# KiCad board AMC_FMC_Carrier-PcbDoc.kicad_pcb (continued)
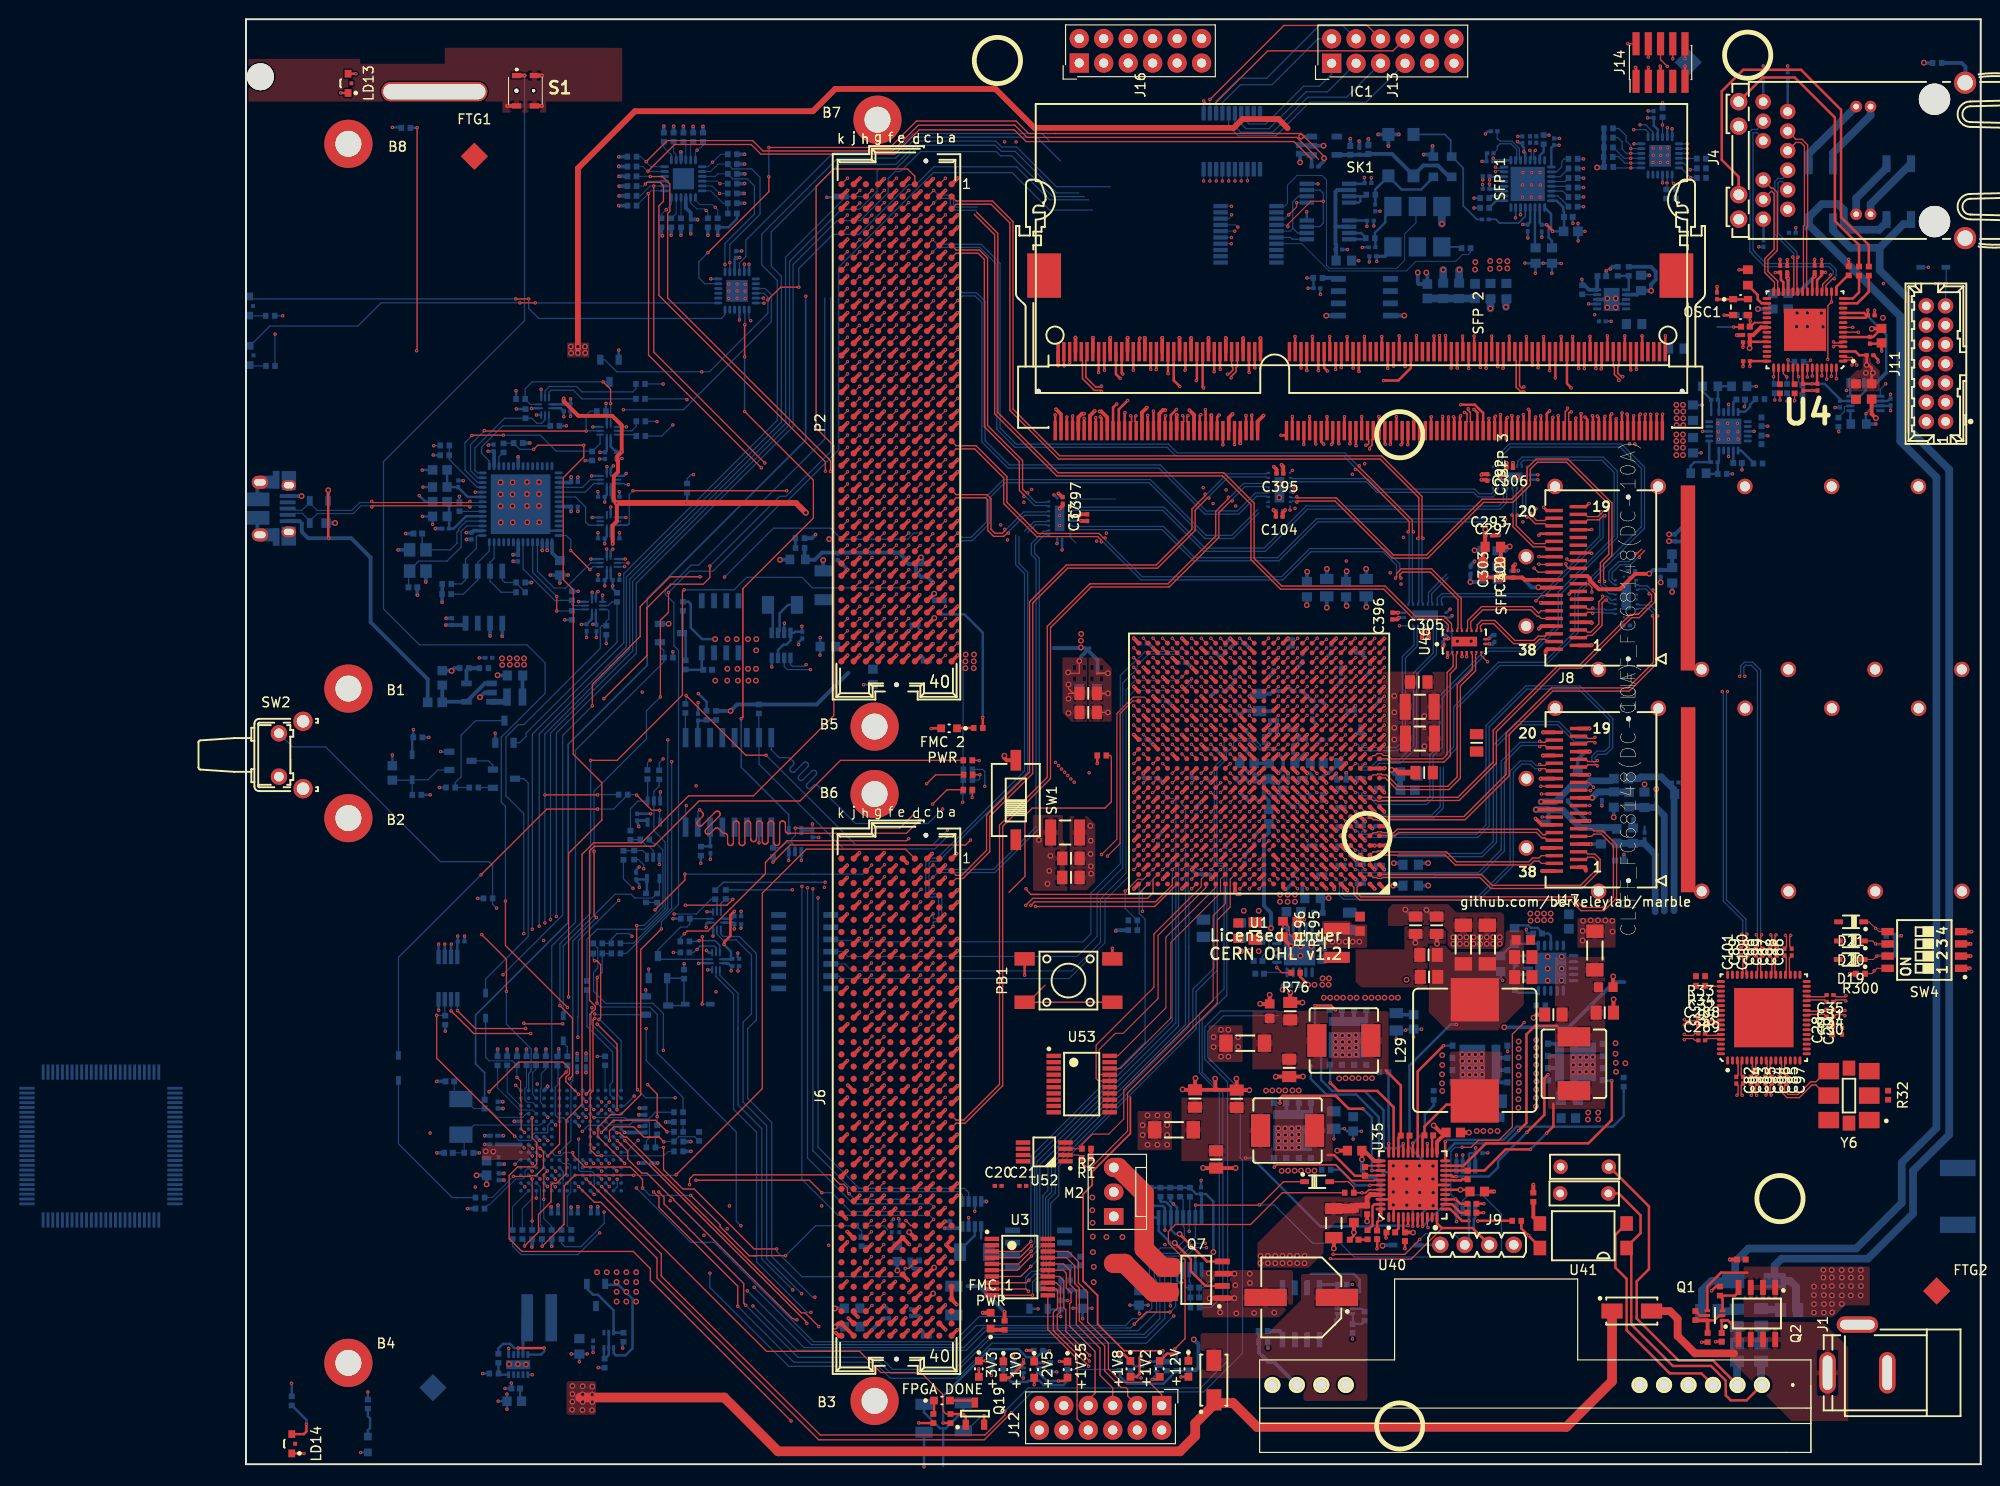
[diagram p0: board, top side]
## Nets (continued)
Net-(U39-Pad10): U39.10
Net-(U39-Pad11): U39.11
Net-(U39-Pad14): U39.14
Net-(U39-Pad15): U39.15
Net-(U39-Pad16): U39.16
Net-(U39-Pad17): U39.17
Net-(U40-Pad3): U40.3 U41.2
Net-(U42-Pad2): U42.2
Net-(U42-Pad8): U42.8
Net-(U42-Pad9): U42.9
Net-(U42-Pad10): U42.10
Net-(U42-Pad11): U42.11
Net-(U42-Pad12): U42.12
Net-(U42-Pad13): U42.13
Net-(U43-Pad2): U43.2
Net-(U43-Pad10): U43.10
Net-(U43-Pad11): U43.11
Net-(U43-Pad15): U43.15
Net-(U43-Pad16): U43.16
Net-(U43-Pad21): U43.21
Net-(U43-Pad26): U43.26
Net-(U43-Pad29): U43.29
Net-(U43-Pad30): U43.30
Net-(U43-Pad33): U43.33
Net-(U43-Pad34): U43.34
Net-(U43-Pad39): U43.39
Net-(U43-Pad45): U43.45
Net-(U43-Pad46): U43.46
Net-(U43-Pad47): U43.47
Net-(U43-Pad48): U43.48
Net-(U43-Pad51): U43.51
Net-(U43-Pad58): U43.58
Net-(U43-Pad63): U43.63
Net-(U43-Pad69): U43.69
Net-(U43-Pad72): U43.72
Net-(U43-Pad75): U43.75
Net-(U43-Pad76): U43.76
Net-(U43-Pad77): U43.77
Net-(U43-Pad94): U43.94
Net-(U43-Pad98): U43.98
Net-(U47-Pad9): U47.9
Net-(U47-Pad17): U47.17
Net-(U49-Pad9): U49.9
Net-(U50-Pad9): U50.9
Net-(U51-Pad1): U51.1
Net-(U51-Pad8): U51.8
Net-(U51-Pad14): U51.14
Net-(U52-Pad5): U52.5
Net-(U53-Pad2): U53.2
Net-(U53-Pad6): U53.6
Net-(U53-Pad7): U53.7
Net-(U53-Pad8): U53.8
Net-(U53-Pad9): U53.9
Net-(U53-Pad10): U53.10
Net-(U53-Pad11): U53.11
Net-(U53-Pad12): U53.12
Net-(U53-Pad13): U53.13
Net-(U53-Pad14): U53.14
Net-(U53-Pad15): U53.15
Net-(U53-Pad19): U53.19
Net-(Y3-Pad5): Y3.5
Net-(Y6-Pad1): Y6.1

Pads without a net: B8#2 9; B8#3 10; FTG1 1; FTG2 1; FTG3 1; FTG4 1; J1#2 G1 G2 G3 G4 G5 G6 G7 G8 G9 G10 G11 G12 G13; J1#3 G1 G2 G3 G4 G5 G6 G7 G8 G9 G10 G11 G12 G13; LD11 3; LD12 3; LD13 3; LD14 3; S1 5 6; SK1 205 206; SW2 3 4; U2#2 A1 A2 A3 A4 A5 A6 A7 A8 A9 A10 A11 A12 A13 A14 B1 B2 B3 B4 B5 B6 B7 B8 B9 B10 B11 B12 B13 B14 C1 C2 C3 C4 C5 C6 C7 C8 C9 C10 C11 C12 C13 C14 D1 D2 D3 D4 D5 D6 D7 D8 D9 D10 D11 D12 D13 D14 E1 E2 E3 E4 E5 E6 E7 E8 E9 E10 E11 E12 E13 E14 F1 F2 F3 F4 F5 F10 F11 F12 F13 F14 G1 G2 G3 G4 G5 G10 G11 G12 G13 G14 H1 H2 H3 H4 H5 H10 H11 H12 H13 H14 J1 J2 J3 J4 J5 J10 J11 J12 J13 J14 K1 K2 K3 K4 K5 K6 K7 K8 K9 K10 K11 K12 K13 K14 L1 L2 L3 L4 L5 L6 L7 L8 L9 L10 L11 L12 L13 L14 M1 M2 M3 M4 M5 M6 M7 M8 M9 M10 M11 M12 M13 M14 N1 N2 N3 N4 N5 N6 N7 N8 N9 N10 N11 N12 N13 N14 P1 P2 P3 P4 P5 P6 P7 P8 P9 P10 P11 P12 P13 P14; U14 1 2 3 6 7; U40 4 5 6; U51 6 9

## Via types
v1: diameter 0.35, hole 0.152, Top to Bottom, 2609 vias
v2: diameter 0.6, hole 0.35, Top to Bottom, 554 vias

## Routing (per net, layer and track width the routed paths; a pad name or vN(x,y) marks a point on that pad's centre or on a via; arc(x,y) is an arc through that point)
+1V0: length 141.5
  Top w0.254: C57.1 168.82,117.02 C53.1 168.48,117.01 U4.6 ; U4.42 156.06,114.51 C54.1 156.06,113.97 v1(156.04,113.95) ; 120.29,78.07 119.84,78.07 ; 120.32,74.77 120.07,74.77
  Top w0.381: U1.P14 v1(104.12,73.73) ; U1.N9 v1(110.12,71.73) ; U1.J9 v1(110.12,67.73) ; U1.K8 v1(111.12,68.73) ; U1.K12 v1(107.12,68.73) ; U1.L13 v1(106.12,69.73) ; U1.L9 v1(110.12,69.73) ; U1.L15 v1(103.12,69.73) ; U1.M14 v1(104.12,70.73) ; U1.M8 v1(111.12,70.73) ; U1.N15 v1(103.12,71.73) ; U1.K10 v1(109.12,68.73) ; U1.K14 v1(104.12,68.73) ; U1.T14 v1(104.12,75.73) ; U1.U15 v1(103.12,76.73) ; U1.R15 v1(103.12,74.73)
  Top w0.4: 120.29,78.07 120.52,78.07 ; C57.1 168.78,117.9 ; 120.32,75.08 120.32,74.77 120.32,75.45
  In2.Cu w0.254: v1(84.12,9.58) 85.56,9.58 86.75,8.39 97.37,8.39 98.9,9.92 98.9,23.06 100.41,24.58 107.29,24.58 118.08,35.37 118.08,38.73 124.56,45.21 124.56,53.31 v2(125.27,54.02)
  In2.Cu w0.4: v1(156.04,113.95) 156.04,114.74 160.03,118.73 167.83,118.73 v2(168.69,117.86) ; 140.21,47.67 132.84,47.67 130.91,49.6 130.91,53.2 v2(130.1,54.02)
  Bottom w0.254: R247.1 v1(84.12,9.58)
  Bottom w0.381: v1(103.12,74.73) U1.R15 C271.1 103.77,74.08 v1(104.12,73.73) ; v1(110.12,67.73) U1.J9 C269.1 109.47,68.38 v1(109.12,68.73) ; v1(110.12,71.73) 110.37,71.73 110.77,71.33 C264.1 110.77,71.08 v1(111.12,70.73) ; v1(104.12,75.73) 103.77,76.08 C279.1 U1.U15 v1(103.12,76.73) ; v1(107.12,68.73) 106.77,69.08 C277.1 U1.K12 v1(106.12,69.73) ; v1(111.12,68.73) U1.K8 C267.1 110.47,69.38 v1(110.12,69.73) ; 103.62,71.23 v1(103.12,71.73) ; v1(104.12,68.73) 103.77,69.08 C275.1 103.62,69.23 v1(103.12,69.73) ; v1(104.12,70.73) 103.59,71.26 103.58,71.26 ; C268.1 121.02,56.84 v2(120.29,57.57) ; 122.48,57.55 123.18,56.84 C270.1
  vias: v2(119.15,79.76) v2(119.15,78.06) v2(119.15,76.44) v2(119.15,75.23) v2(122.49,57.53) v2(125.27,54.7) v2(125.96,54.7) v2(125.96,54.02) v2(126.64,54.7) v2(126.64,54.02) v2(127.38,54.7) v2(127.38,54.02) v2(128.06,54.7) v2(128.06,54.02) v2(128.75,54.7) v2(128.75,54.02) v2(129.41,54.7) v2(129.41,54.02) v2(130.1,54.7) v2(169.86,119.01)
+1V5: length 69.7
  Top w0.178: 88.28,82.11 v2(89.43,82.11) ; C253.1 86.84,62.9
  Top w0.254: v1(108.85,117.07) 108.86,117.06 108.86,115.44 ; v1(110.65,117.08) 110.66,117.08 110.66,115.46 ; v1(112.44,117.07) 112.45,117.06 112.45,115.44 ; v1(114.25,117.06) 114.26,117.05 114.26,115.43 ; v1(116.05,117.07) 116.06,117.06 116.06,115.44 ; v1(117.85,117.07) 117.86,117.06 117.86,115.44 ; v1(119.66,117.14) 119.67,117.13 119.67,115.51 ; v1(121.45,117.16) 121.46,117.15 121.46,115.53 ; v1(123.26,117.11) 123.27,117.1 123.27,115.48 ; SK1.93 113.97,108.72 v1(113.99,108.74) ; v1(122.98,108.73) 122.97,108.71 SK1.123 ; v1(121.16,108.75) 121.17,108.74 SK1.117 ; v1(110.36,108.77) 110.37,108.76 SK1.81 ; SK1.75 108.57,108.76 v1(108.57,108.77) ; SK1.105 117.57,108.75 v1(117.55,108.77) ; v1(112.16,108.75) 112.17,108.75 SK1.87 ; v1(119.36,108.75) 119.37,108.75 SK1.111 ; SK1.99 115.77,108.76 v1(115.77,108.77)
  Top w0.381: U1.U3 v1(116.12,76.73) ; U1.AA1 v1(118.12,80.73) ; U1.AF6 v1(113.12,85.73) ; U1.Y4 v1(115.12,79.73) ; U1.AD2 v1(117.12,83.73) ; U1.AF16 v1(102.12,85.73) ; U1.W17 v1(101.12,78.73) ; U1.AB18 v1(100.12,81.73) ; U1.Y14 v1(104.12,79.73) ; U1.AC15 v1(103.12,82.73) ; U1.AB8 v1(111.12,81.73) ; U1.V10 v1(109.12,77.73) ; U1.AD12 v1(107.12,83.73) ; U1.AE19 v1(99.12,84.73) ; U1.AE9 v1(110.12,84.73) ; U1.W7 v1(112.12,78.73) ; U1.AA11 v1(108.12,80.73) ; v1(114.08,82.73) 114.08,82.69 U1.AC5
  Bottom w0.381: C332.1 U1.AD2 v1(117.12,83.73) ; 108.77,80.23 108.62,80.23 v1(108.12,80.73) ; C389.1 102.62,82.23 v1(103.12,82.73) ; C387.1 U1.AE19 v1(99.12,84.73) ; v1(113.12,85.73) U1.AF6 C334.1 ; v1(118.12,80.73) U1.AA1 C338.1 ; C390.1 U1.W17 v1(101.12,78.73) ; C391.1 115.97,76.58 v1(116.12,76.73) ; v1(112.12,78.73) 111.62,79.23 111.47,79.23 ; C261.1 U1.AE9 v1(110.12,84.73) ; C336.1 113.62,82.69 113.66,82.73 v1(114.08,82.73)
  Bottom w0.4: U31.2 144.33,121.41 C22.1 145.79,121.83 v2(145.8,121.82) 145.8,122.47 146.27,122.95 146.27,123.82 145.78,124.3 R31.2 ; v1(102.12,85.73) 101.64,85.25 C388.1 ; C286.1 112.14,88.92 v2(112.15,88.91) ; C257.1 106.63,83.24 v1(107.12,83.73) ; C280.1 114.15,89.16 v2(114.21,89.1) ; C282.1 110.08,89.19 v2(110.07,89.18) ; v1(108.12,80.73) 107.64,80.25 106.55,80.25 106.27,79.97 C255.1 104.36,79.97 v1(104.12,79.73) ; C284.1 116.23,89.01 v2(116.25,88.99)
+1V8: length 67.1
  Top w0.254: v2(110.21,49.77) 109.39,50.6 R76.1 ; 154.28,120.94 154.3,120.92 ; 154.3,120.92 155.85,120.92 ; 154.3,120.92 152.66,120.92 C43.1
  In2.Cu w0.254: v1(92.88,8.96) 93.14,9.21 95.68,9.21 97.1,10.63 97.1,13.43 98.02,14.34 98.02,22.98 102.03,26.99 102.03,38.09 104.7,40.75 104.7,44.16 109.73,49.19 ; 109.63,49.19 v2(110.21,49.77)
  Bottom w0.254: v1(92.88,8.96) 92.49,8.96 R255.1
  Bottom w0.4: v2(106.36,55.65) 106.36,57.24 105.63,57.96 105.63,65.08 106.12,65.57 L27.1
  vias: v2(110.87,49.77) v2(111.68,49.77) v2(111.71,50.43) v2(112.37,50.43) v2(112.35,49.77) v2(138.69,55.37) v2(138.69,54.38) v2(138.74,56.41) v2(139.53,56.46) v2(140.29,56.46) v2(141.05,56.46) v2(141.76,56.41) v2(141.79,55.29)
+1V8_USB: length 2.2
  Bottom w0.381: U23.43 31.75,94.62 C173.1
+1V35: length 33.6
  In2.Cu w0.254: v1(79.64,11.32) 84.17,11.32 88.18,15.33 88.18,16.34 88.92,17.08 90.95,17.08 93.48,19.61 93.48,23.17 96.87,26.56 96.87,29.84
  Bottom w0.254: 152.03,108.91 C71.1 151.12,111.41 R68.1 ; R250.1 79.63,11.31 v1(79.64,11.32)
  vias: v2(148.42,109.97) v2(148.44,109.28) v2(148.44,108.57) v2(148.44,107.86) v2(149.1,109.97) v2(149.13,109.28) v2(149.13,108.57) v2(149.13,107.86)
+2V5: length 324.7
  Top w0.127: C254.1 v2(89.43,78.04)
  Top w0.178: C240.1 v2(89.43,80.03) ; 86.63,65.58 C239.1 86.91,65.58
  Top w0.254: 165.72,119.01 168.04,119.01 C55.1 ; v1(49.6,53.94) 49.6,54.19 50.27,54.85 50.27,56.99 v1(50.67,57.39) ; v1(128.42,26.1) 127.69,26.1 R157.1 ; C55.1 168.29,119.81 v1(168.28,119.82) ; C55.1 168.15,119.26 167.9,119.51 U4.11 ; R160.1 88.33,72.74 v1(88.32,72.73) ; R162.1 72.35,4.27 v1(72.34,4.28) ; U4.52 163.02,112.2 C56.1 162.5,112.15 v1(162.49,112.15) 162.49,112.15 C79.1 161.52,112.21 U4.49
  Top w0.381: U1.U23 v1(95.12,76.73) ; U1.AC25 v1(93.12,82.73) ; U1.H20 v1(98.12,66.73) ; U1.G23 v1(95.12,65.73) ; U1.T6 v1(113.12,75.73) ; U1.AD22 v1(96.12,83.73) ; U1.T16 v1(102.12,75.73) ; U1.L7 v1(112.12,69.73) ; U1.A21 v1(97.12,59.73) ; U1.R19 v1(99.12,74.73) ; U1.F16 v1(102.12,64.73) ; U1.E19 v1(99.12,63.73) ; U1.T26 v1(92.12,75.73) ; U1.P7 v1(112.12,73.73) ; U1.K24 v1(94.12,68.73) ; U1.P22 v1(96.12,73.73) ; U1.D22 v1(96.12,62.73) ; U1.Y24 v1(94.12,79.73) ; U1.M18 v1(100.12,70.73) ; P2.E39 v1(68.77,85.25) ; U1.N25 93.12,71.73 v1(93.12,71.73) ; v1(68.45,15.21) 68.13,14.89 J6.E39 ; v1(97.12,69.73) 97.12,69.73 U1.L21 ; v1(61.21,13.63) 61.5,13.34 J6.K40 ; v1(98.12,77.73) 98.12,77.73 U1.V20 ; U1.B18 v1(100.12,60.73) ; v1(97.12,80.73) 97.12,80.73 U1.AA21 ; P2.K40 v1(62.42,83.98) ; P2.J39 v1(63.69,85.25) ; v1(66.09,15.08) 65.62,14.61 J6.G39 ; U1.C25 v1(93.12,61.73) ; U1.J17 101.11,67.72 v1(101.11,67.72) ; J6.J39 v1(62.51,15.15) ; P2.F40 v1(67.5,83.98) ; P2.G39 v1(66.23,85.25) ; v1(64.94,13.94) 64.35,13.34 J6.H40 ; v1(92.12,85.75) 92.12,85.73 U1.AF26 ; J6.F40 v1(67.41,13.88) ; U1.F26 92.14,64.75 v1(92.14,64.73) ; v1(64.94,83.91) 64.37,83.34 P2.H40
  Top w0.4: v1(32.97,110.63) 32.97,110.35 34.49,108.83 38,108.83 38.99,107.84 v1(38.99,105.1) 38.54,104.65 38.54,104.17 38.61,104.1 38.61,103.01 38.16,102.56 38.16,100.11 v1(38.48,99.79) 38.48,97.88 38.05,97.45 v1(38.05,95.55)
  Top w0.6: v1(38.48,99.79) 57.07,99.79 v2(58.09,98.77)
  In2.Cu w0.254: v2(130.55,45.35) 131.44,44.47 131.44,39.69 130.83,39.08 130.83,28.51 v1(128.42,26.1) ; v1(83.39,11.78) 83.39,18.28 86.64,21.53 86.64,27.83 88.14,29.33 88.14,31.38 90.93,34.18 v2(93.04,34.18)
  In2.Cu w0.6: v2(58.09,98.77) 58.09,96.68 61.82,92.95 61.82,83.61 62.99,82.44
  GND5.Cu w0.254: v1(50.67,57.39) 50.67,57.89 48.36,60.2 48.36,61.2 v1(47.19,62.37) 47.19,65.37 44.83,67.73 44.83,70.65 50.29,76.11 v2(50.29,78.2)
  In9.Cu w0.4: v2(130.55,45.35) 127.48,45.35 126.64,44.52 124.61,44.52 119.68,39.58 117.24,39.58 113.86,36.21 v2(95.58,36.21)
  Bottom w0.13: 74.01,83.63 74.41,83.24 R283.1 74.43,73.07 R282.2
  Bottom w0.254: U8.6 50.42,56.63 C213.1 50.68,57.39 v1(50.67,57.39) ; U38.6 37.84,100.63 C187.1 38.05,99.97 38.23,99.79 v1(38.48,99.79) ; v1(168.28,119.82) 168.28,119.16 170.19,117.25 170.19,113.29 ; v1(38.05,95.55) 38.05,95.55 C356.1 37.84,96.32 U15.6 ; v1(38.99,105.1) 38.98,105.09 C185.1 37.84,105.65 U26.6 ; R166.1 45.77,99.91 v1(45.64,99.79) ; v1(32.97,110.63) 32.97,110.63 C186.1 32.92,110.02 U33.6 ; U9.6 50.32,52.41 50.32,52.42 50.32,53.22 v1(49.6,53.94) ; R64.2 168.1,111.49 167.14,110.54 167.13,110.54 167.13,110.53 166.97,110.37 165.56,110.37 165.36,110.58 165.36,110.6 163.81,112.15 v1(162.49,112.15) ; R227.1 47.2,62.39 v1(47.19,62.37) ; v1(72.34,4.28) 72.34,7.1 77.18,11.94 80.17,11.94 81,11.12 82.05,11.12 82.69,11.76 R251.1 v1(83.39,11.78)
  Bottom w0.381: v1(112.12,69.73) 111.97,69.58 C248.1 ; C250.1 U1.R19 v1(99.12,74.73) ; v1(102.12,64.73) 101.62,64.23 C249.1 ; C260.1 U1.H20 v1(98.12,66.73) ; C258.1 94.62,65.23 v1(95.12,65.73) ; C256.1 U1.T6 v1(113.12,75.73) ; 95.62,62.08 95.62,62.23 v1(96.12,62.73) ; C262.1 U1.T26 v1(92.12,75.73) ; v1(100.12,70.73) 99.62,71.23 99.47,71.23 ; 96.77,83.23 U1.AD22 v1(96.12,83.73) ; v1(94.12,79.73) U1.Y24 C247.1 ; v1(93.12,71.73) 93.12,71.27 93.16,71.23 C245.1 ; 92.77,85.23 92.64,85.23 v1(92.12,85.75) ; v1(100.12,60.73) 100.12,61.08 C251.1
  Bottom w0.4: v1(64.94,13.94) v1(66.09,15.08) 66.14,15.13 C67.1 ; 62.51,82.16 59.22,78.87 R223.1 50.96,78.87 v2(50.29,78.2) R225.1 ; 170.19,113.29 169.14,112.24 R64.2 ; 143.02,50.05 141.98,50.05 137.28,45.35 v2(130.55,45.35)
  vias: v2(74.67,84.06) v2(74.65,83.34) v2(74.65,82.63) v2(75.54,84.06) v2(75.51,83.34) v2(75.51,82.63) v2(86.66,86.2) v2(86.64,85.49) v2(87.61,66.28) v2(87.66,64.73) v2(87.64,63.35) v2(87.66,62.07) v2(87.69,61.3) v2(93.04,35.19) v2(93.55,36.21) v2(93.55,33.16) v2(94.56,36.21) v2(94.56,33.16) v2(95.58,35.19) v2(95.58,34.18) v2(95.58,33.16)
+3.3VP: length 299.6
  Top w0.127: v1(17.7,115.59) 17.75,115.64 v1(17.75,138.75)
  Top w0.254: v1(144.17,145.02) 144.23,145.02 144.24,145.01 J14.1 ; v1(127.81,25.24) 127.84,25.27 R179.1
  Top w0.6: 34.44,115.76 34.44,134.53 40.36,140.45 58.82,140.45 61.13,142.76 77.77,142.76 81.81,138.73 102.49,138.73 103.4,139.64 107.13,139.64 108.07,138.7
  In2.Cu w0.254: v1(95.92,16.44) 95.35,17.01 v1(95.35,22.8) ; v1(127.58,32.84) 127.58,32.59 127.84,32.34 127.84,25.26 v1(127.81,25.24)
  In2.Cu w0.4: 60.81,96.34 v2(60.51,96.04) 61.29,96.82 61.29,103.93 60.27,104.94 v1(60.27,131.51) 66.44,131.51 66.85,131.92 66.85,132.6 67.16,132.91 83.33,132.91 85.15,131.09
  Bottom w0.254: 28.53,33.19 28.53,33.18 v1(28.88,32.83) ; 38.93,34.79 38.93,34.79 v1(39.29,34.43) ; v1(35.99,87.19) 36,87.2 36.36,87.2 36.3,87.25 U24.6 ; v1(40.75,66.18) 40.75,66.37 40.64,66.49 40.64,66.82 41.5,66.82 ; U32.7 55.2,84.51 55.77,85.08 56.08,85.08 56.5,85.5 U32.4 56.87,86.3 56.99,86.42 C351.1 57.68,86.47 v1(57.68,86.99) ; R266.1 17.73,138.73 v1(17.75,138.75) ; v1(28.01,111.45) 28.03,111.43 R204.1 ; U29.8 127.55,32.26 C192.2 ; 99.6,28.05 99.62,28.03 ; 99.6,28.05 C190.1 ; 99.6,28.05 100.38,27.27 v2(100.38,22.02) ; R39.1 50.07,128.4 50.94,129.27 R274.1 ; v1(60.27,131.51) 61.21,131.51 61.24,131.54 61.27,131.54 61.33,131.59 ; 41.6,59.11 U10.5 41.49,60.7 40.59,60.7 40.45,60.56 40.81,60.19 v1(40.81,59.88) ; v1(21.97,54.83) 21.97,54.82 C191.2 21.93,54.22 U28.8 ; 40.87,66.82 41.5,66.82 ; 41.5,66.82 U7.5 ; C190.1 99.15,28 U27.8 99.15,27.57 ; C190.1 98.59,28.05 R130.1 R173.1 R177.1 R176.1 R175.1 R174.1 ; v1(21.31,53.99) 21.28,53.96 U28.7 ; R178.1 v1(20.67,44.95) ; v1(45.46,51.96) 45.45,51.95 R246.1 ; v1(4.72,8.4) 4.75,8.37 R267.1 ; R128.1 v1(37.39,85.18) ; U29.7 126.9,32.18 127.02,32.3 C192.2 ; C192.2 127.59,32.83 v1(127.58,32.84) ; R268.1 v1(12.65,7.51) ; R273.1 38.05,90.91 v1(38.05,91.18) 38.05,91.18 38.05,91.79 37.84,92 U25.6 ; R263.1 v1(24.03,58.74) ; v1(95.92,16.44) 95.91,16.45 R172.1 ; 37.12,18.62 38.65,18.62 40.1,17.16 40.1,12.03 39.37,11.29 38.39,11.29 38.14,11.54 Q15.4 ; U28.6 20.63,53.99 v1(20.62,53.99)
  Bottom w0.381: R133.1 v1(27.1,43.09) ; v1(40.76,36.29) 40.78,36.27 C204.1 ; C208.1 v1(34.36,40.66) ; v1(26.77,30.19) 26.76,30.19 C203.1 ; R145.1 v1(43.53,35.53) ; R134.1 v1(26.11,43.09) ; R143.1 v1(46.17,32.48) ; v1(26.67,36.92) 26.66,36.93 C205.1 ; C202.1 v1(35.28,40.66) ; C207.1 28.52,33.19 28.53,33.19 ; v1(34.44,26.74) 34.43,26.73 C201.1 ; C198.1 v1(40.71,31.26) ; C197.1 36.49,26.73 v1(36.5,26.74) ; v1(32.38,26.89) 32.38,26.88 C206.1 ; C209.1 v1(26.72,34.1) ; R40.1 v1(47.93,127.57) ; R39.1 48.94,127.6 v1(48.97,127.57) ; 41.34,34.43 v1(39.29,34.43) ; v1(43.21,127.52) 43.1,127.64 R41.1 ; U5.21 45.64,130.42 46.15,129.91 C40.2 46.84,129.22 v1(46.86,129.2) ; R139.2 v1(31.72,22.62) ; R140.2 29.69,22.57 v1(29.66,22.55)
  Bottom w0.4: v1(72.51,24.5) 72.52,24.51 74.17,24.51 U17.4 ; v2(55.41,93.88) 55.42,93.89 56.42,93.89 ; v2(117.94,22.68) 118.01,22.75 D5.1 ; v2(23.92,29.99) 23.94,30 L9.1 v2(24.97,29.05) ; 67.59,21.24 v2(67.59,20.11)
  vias: v2(33.7,116.02) v2(33.73,115.36) v2(34.44,116.02) v2(34.44,115.36) v2(35.18,116.02) v2(35.2,115.36) v2(36.42,19.93) v2(37.44,19.93) v2(38.45,19.93) v2(38.45,18.91) v2(38.45,17.9) v2(38.45,16.88) v2(39.47,19.93) v2(39.47,18.91) v2(39.47,17.9) v2(39.47,16.88) v2(40.48,19.93) v2(40.48,18.91) v2(40.48,17.9) v2(40.48,16.88)
+3V3: length 152.8
  Top w0.254: v1(128.44,27.04) 127.69,27.04 R167.1 ; U46.6 126.67,83.84 v1(126.67,83.84) ; v1(69.8,4.28) 69.81,4.27 R163.1 ; U46.1 124.32,84.97 v1(124.18,84.83) ; SK1.199 145.77,108.97 v1(145.76,108.98) ; v1(129,85.16) 129,85.15 U46.10
  Top w0.381: U1.C15 v1(103.12,61.73) ; U1.D12 v1(107.12,62.73) ; U1.G13 v1(105.12,65.73) ; U1.B8 v1(111.12,60.73) ; U1.H10 v1(109.12,66.73) ; C395.1 107.64,103.56 v1(107.45,103.75) ; C104.1 107.56,98.78 v1(107.83,99.05) ; U1.A11 107.62,59.88 107.79,59.71 v1(107.82,59.71) ; J6.C39 70.7,14.61 v1(71.29,15.21) ; J6.D38 v1(69.87,16.35) ; v1(70.03,13.94) 69.43,13.34 J6.D40 ; v1(70.03,88.99) 69.45,88.42 P2.D36 ; v1(71.29,85.18) 70.72,84.61 P2.C39 ; P2.D38 v1(70.04,86.52) ; SW4.2 v1(178.95,52.75) ; v1(70.03,83.91) 69.45,83.34 P2.D40 ; C37.1 86.66,97.91 v1(86.64,97.93) ; v1(131.45,103.97) 131.45,103.43 C306.1 ; R1.1 87.68,31.78 R2.1 ; J6.D36 v1(68.81,17.82) ; v1(119.63,87.87) 119.46,87.7 C396.1 ; C397.1 84.67,100.4 v1(84.3,100.78) ; U1.E9 110.12,63.73 v1(110.12,63.73) ; v1(122.12,86.4) 122.02,86.31 C305.1 ; C292.1 128.26,102.78 v1(128.19,102.71) ; SW4.1 v1(178.87,51.48) ; SW4.3 v1(178.95,54.02) ; SW4.4 v1(179.05,55.29)
  Top w0.4: L2.1 128.37,95.02 C297.1 128.57,97.01 v2(128.59,97.03)
  Bottom w0.127: R264.1 3.01,117.3 v1(3.02,117.31) ; U45.10 v1(107.83,99.05) ; R265.1 v1(3.81,119.22) ; v1(108.66,100.9) 108.65,100.9 U45.6
  Bottom w0.254: 146.31,68.17 146.32,68.19 C398.1 ; C400.1 145.12,64.5 145.07,64.45 ; v1(139.32,120.45) 139.33,120.45 U31.7 ; R29.1 138.65,122.94 ; U9.7 49.47,52.01 49.89,52.01 49.91,51.99 50.03,51.99 ; U50.6 131.39,103.92 131.43,103.97 v1(131.45,103.97) ; U44.10 84.68,94.91 v1(84.68,94.91) ; v1(84.3,100.78) 84.68,100.4 U44.1 ; v1(58.77,66.46) C78.1 58.76,65.78 U11.5 ; v1(77.35,9.21) 77.37,9.22 R248.1 ; U8.7 50.52,56.23 C212.1 50.68,55.57 v1(50.67,55.57) ; v1(128.19,102.71) 128.19,102.7 U50.1 ; R262.1 165.27,107.67 v1(165.27,107.19) ; v1(147.49,138.74) 147.48,138.73 U34.23 ; v1(170.64,109.37) 170.65,109.37 C41.1 ; v1(47.75,55.72) 47.75,56.1 47.88,56.23 48.21,56.23 U8.1 ; U9.10 47.91,51.31 v1(47.9,51.32) ; v1(119.63,87.87) 119.65,87.89 U48.10 ; 48.47,55.31 U8.10 48.47,54.84 v1(48.46,54.83) ; v1(86.64,97.93) 86.63,97.94 U44.6 ; v1(107.45,103.75) 107.48,103.72 U45.1 ; C8.1 69.77,86.79 v1(70.04,86.52) ; 50.03,51.99 49.93,51.99 ; 50.03,51.99 50.29,51.73 50.35,51.73 50.35,51.23 v1(50.34,51.22) ; U34.21 146.48,138.56 146.07,138.97 C215.1 145.44,139.76 v1(145.44,139.76) ; v1(134.05,102.72) 134.03,102.7 U50.10 ; v1(46.94,80) 47.79,79.15 R224.1 ; U39.21 50.7,125.08 C342.1 50.89,125.28 v1(51.23,125.28) ; v1(146.98,141.33) R199.1 ; v1(125.14,88.08) 124.96,87.89 U48.1 ; R131.1 44.31,56.63 v1(44.31,56.63) ; U48.6 122.11,86.41 v1(122.12,86.4) ; 168.08,108.13 168.08,109.05 168.89,109.86 170.65,109.86 170.68,109.89 ; v1(48.23,123.05) 48.23,123.05 U39.18
  Bottom w0.381: v1(105.12,65.73) 104.62,65.23 C333.1 ; C337.1 111.27,60.88 v1(111.12,60.73) ; v1(103.12,61.73) U1.C15 C335.1 ; R54.2 v1(45.39,138.9) ; v1(38.71,133.7) R47.2 ; R56.2 v1(47.42,138.88) ; v1(110.12,63.73) 110.12,64.08 C339.1 ; R91.2 51.71,132.93 v1(51.74,132.96) ; v1(124.18,84.83) 124.23,84.88 C291.1 ; v1(38.68,134.74) 38.71,134.71 R50.2 ; R46.2 v1(38.68,130.65) ; R55.2 v1(51.74,135.98) ; R48.2 v1(38.71,132.68) ; R52.2 43.35,138.9 v1(43.36,138.9) ; v1(129,85.16) 129.34,85.16 C23.1 ; v1(107.82,59.71) 107.98,59.71 108.62,60.36 C392.1 ; R75.2 v1(51.74,134.97) ; R53.2 v1(46.4,138.88) ; R83.2 v1(51.69,131.92) ; R62.2 v1(169.12,107.98) ; R51.2 v1(44.37,138.9) ; R45.2 v1(38.71,131.66) ; R49.2 v1(38.68,135.73) ; R57.2 v1(51.76,133.95)
  Bottom w0.4: R29.1 138.66,122.41 138.88,122.41 139.37,121.91 U31.10 140.2,123.29 C24.1 ; v1(70.03,83.91) 70.23,83.7 C7.1 ; C64.1 69.6,16.08 v1(69.87,16.35) ; 140.9,138.67 140.9,134.62 v2(140.19,134.62) ; C63.1 70.25,13.71 v1(70.03,13.94) ; L1.1 149.46,95.76 C298.1 148.32,95.79 C295.1 147.66,95.83 v2(147.66,95.82) ; C294.1 127.04,92.41 v2(127.04,91.57) 128.04,91.57 L5.1 128.36,93.22 C296.1 ; v2(121.59,123.71) 121.59,122.61 121.68,122.51 L11.1 122.58,123.61 v2(122.48,123.71) ; L4.1 v2(156.88,119.92)
  Bottom w0.7: 146.22,57.35 146.22,63.3 145.07,64.45 C403.1 L44.1 ; 148.18,57.45 148.18,70.04 146.87,71.35 144.72,71.35 144.54,71.17 L43.1 ; 147.16,57.43 147.16,67.32 146.31,68.17 C401.1 145.03,68.25 L30.1
  vias: v1(138.61,123) v1(168.09,109.06) v2(100.4,44.34) v2(100.4,43.32) v2(101.17,45.1) v2(101.17,42.31) v2(101.93,45.1) v2(101.93,42.31) v2(102.94,44.34) v2(102.94,43.32) v2(103.53,57.45) v2(105.08,57.45)
+3V3_CLEAN: length 31.1
  Bottom w0.254: U16.1 116.3,129.11 C112.1 116.31,128.5 v1(116.31,128.49) ; v1(116.05,133.57) 116.06,133.57 C117.1 115.99,132.92 U19.1 ; v1(110.21,122.08) C110.1 110.77,123.13 R58.2 v1(110.08,123.15) ; U20.20 133.25,128.94 C125.1 132.51,128.69 v1(132.49,128.71) ; L26.2 138.22,127.01 v1(138.23,126.99) ; L26.2 v1(138.22,128.81) ; L26.2 v1(138.94,127.98) ; R94.1 135.19,137.98 v1(135.21,137.97) ; U20.30 129.09,133.66 C116.1 129.03,133.72 v1(129.03,133.32) ; v1(129.02,132.89) 129.03,132.88 C124.1 129.51,132.38 129.72,132.16 U20.27 ; U20.1 129.52,135.36 C196.1 129.41,135.57 v1(129.42,135.58) ; U20.4 132.75,136.08 v1(132.59,136.24) 132.59,136.69 132.44,136.84 C122.1 132.09,137.14 v1(131.93,137.3) ; v1(136.25,136.92) 136.24,136.93 C210.1 135.45,136.66 U20.9 ; 118.69,126.05 Y3.6 ; v1(117.32,124.86) 117.32,125.34 C115.1
  Bottom w0.354: 118.62,125.82 118.19,125.39 C115.1
  Bottom w0.381: U13.1 110.57,135.91 C80.1 ; 109.37,135.4 v2(109.37,135.15) ; v2(109.48,137.81) 109.49,137.82 U13.3
  Bottom w0.402: U13.1 110.5,136.02 109.37,136.02 109.37,135.4
  vias: v2(127.56,124.8) v2(127.53,124.01) v2(129.11,124.9) v2(129.11,124.09) v2(130.07,124.9) v2(130.07,124.14) v2(130.88,124.88) v2(130.88,124.14)
+3V3_USB: length 48.1
  Bottom w0.254: R121.1 33.08,87.65 v1(33.07,87.66) ; v1(34.8,87.18) 34.81,87.2 C178.1 35.9,87.76 U24.7 ; v1(34.5,89.55) 34.52,89.53 U24.10 ; v1(35.91,90.52) 35.9,90.51 U24.1 ; v1(37.45,103.56) 37.44,103.55 U38.1 ; C164.1 25.12,105.15 v1(25.12,105.15) ; R271.2 v1(20.06,70.25) ; U33.7 32.66,109.62 C183.1 32.97,108.75 v1(32.98,108.74) ; U15.10 35.92,98.28 v1(35.91,98.28) ; U26.10 36,107.68 v1(35.99,107.67) ; R126.1 v1(33.25,107.79) ; R123.1 34.46,90.62 v1(34.47,90.62) ; L24.1 18.62,99.91 v1(17.98,100.55) ; 28.03,109.58 v1(28.05,109.55) 28.08,109.53 R125.1 ; U26.1 37.44,109.22 R124.1 37.35,110.11 v1(37.36,110.12) ; U33.10 30.14,108.92 v1(30.13,108.92) ; v1(35.19,104.18) 35.2,104.19 R122.1 ; U25.7 37.44,92 C180.1 37.23,91.18 v1(37.23,91.18) ; v1(36.73,105.04) 36.73,105.05 C182.1 37.44,105.22 U26.7 ; v1(18.29,103.19) 18.31,103.22 L25.1 ; v1(35.79,93.96) 35.79,93.96 U25.10 ; D16.1 17.24,75.34 R272.2 17.36,76.25 v1(17.37,76.27) ; v1(37.22,99.88) 37.23,99.88 C184.1 37.44,100.63 U38.7 ; R270.1 v1(19.12,69.48) ; v1(37.22,95.56) 37.23,95.57 C355.1 37.44,96.32 U15.7
  Bottom w0.381: U23.31 33.7,101.91 C176.1 33.73,102.47 v1(33.74,102.48) ; v1(20.34,89.49) R115.1 20.36,90.34 R117.1 ; C164.1 25.75,105.11 U23.16 ; U23.50 28.25,94.43 C170.1 27.72,94.42 v1(27.71,94.41) ; v1(20.74,87.11) 20.74,87.12 C163.1 22.59,87.12 U21.8 ; v1(31.25,94.87) 31.25,94.88 U23.44 ; U23.2 23.62,96.91 C169.1 22.86,96.71 v1(22.86,96.71) ; U23.36 33.73,99.41 C177.1 33.73,98.91 v1(33.74,98.9) ; U21.6 25.32,86.01 v1(25.33,85.99) ; R113.1 v1(29.63,91.53)
  Bottom w0.4: L23.2 28.69,81.85 C172.1
  vias: v2(26.57,83.66) v2(26.59,82.97) v2(27.35,83.66) v2(27.38,83) v2(28.11,83.66) v2(28.14,83) v2(28.85,83.66) v2(28.85,83)
+5V: length 1
  Top w0.254: R193.1 116.34,23.31 C363.1
+12V: length 75
  Top w0.254: 155.78,19.89 153.05,19.89 151.63,18.47 Q1.4
  Top w0.4: 112.94,26.6 C141.1 ; 115.22,26.86 C105.1
  Top w0.45: U35.41 116.65,27.99 116.64,27.98
  Top w0.5: 115.22,26.86 114.89,26.53 ; C137.1 116.33,27.67 116.64,27.98 117.09,27.98
  Top w0.6: C137.1 115.22,26.86
  Top w1: C141.1 114.89,26.53
  Bottom w0.127: R252.1 90.52,9.83 R254.1
  Bottom w0.254: R252.1 85.21,8.61 84.81,8.21 82.77,8.21 82.32,8.66 81.21,8.66 81.09,8.54 79.38,8.54 78.58,9.34 R249.1 ; R202.1 86.45,18.02 C344.1 ; v2(48.68,85.65) 47.33,85.65 46.15,86.83 46.15,89.29 45.9,89.54 R203.1 ; 110.49,19.75 114.96,19.75 115.54,19.17 115.54,17.9 114.83,17.19 Q22.4 ; R257.1 97.79,9.71 R256.1 96.55,9.71 95.2,8.36 91.45,8.36 90.66,9.15 R254.1
  Bottom w0.4: Q12.3 129.84,40.91 ; Q10.3 109.22,36.3 ; 129.89,42.13 129.94,42.18 Q12.2 ; Q10.4 110.49,36.46 ; R257.1 98.55,9.76 98.83,10.04 98.83,12.46 v2(98.35,12.94) ; Q11.3 114.98,45.97 ; C153.1 119.52,46.66 C161.1 ; Q13.3 136.28,42.38 ; Q10.2 107.95,36.3 ; Q13.4 136.22,43.65 ; Q12.4 129.74,39.64 129.7,39.68 Q12.10 ; Q11.4 116.25,45.94 ; Q11.2 113.71,45.97 ; Q13.2 136.28,41.11
  vias: v2(48.69,81.35) v2(49.96,85.65) v2(49.95,82.57) v2(49.93,81.35) v2(50.91,85.65) v2(51,82.57) v2(51.04,81.35) v2(52.08,85.65) v2(52.09,82.57) v2(52.13,81.35) v2(52.96,85.65) v2(52.93,84.48) v2(52.92,82.57) v2(52.91,81.35) v2(87.82,27.69) v2(87.82,26.37) v2(87.84,25.06) v2(87.87,23.63) v2(87.88,22.01) v2(87.97,20.49) v2(87.96,18.9) v2(89.28,23.59) v2(90.94,23.57) v2(105.27,21.63) v2(105.27,20.87) v2(105.84,38.78) v2(106.03,21.63) v2(106.03,20.87) v2(106.5,38.8) v2(106.79,21.63) v2(106.79,20.87) v2(107.19,38.8) v2(107.55,21.63) v2(107.55,20.87) v2(107.85,38.8) v2(108.32,21.63) v2(108.32,20.87) v2(108.58,38.8) v2(109.08,21.63) v2(109.08,20.87) v2(109.24,38.8) v2(109.84,21.63) v2(109.84,20.87) v2(111.83,48.43) v2(112.49,48.43) v2(113.18,48.43) v2(113.84,48.43) v2(114.58,48.43) v2(115.24,48.43) v2(116.13,48.43) v2(116.79,48.43) v2(117.47,48.43) v2(118.13,48.43) v2(118.87,48.43) v2(119.53,48.43) v2(132.05,43.88) v2(132.05,43.09) v2(132.05,42.23) v2(132.05,41.32) v2(132.05,40.4) v2(132.08,39.59) v2(132.05,38.75) v2(132.03,37.89) v2(132.03,37) v2(133.88,44.03) v2(133.88,43.25) v2(133.88,42.38) v2(133.88,41.47) v2(133.88,40.55) v2(133.88,38.9) v2(133.86,38.04) v2(133.86,37.15) v2(133.91,39.74) v2(162.69,18.44) v2(162.69,17.56) v2(162.69,16.62) v2(162.69,15.74) v2(163.67,20.17) v2(163.68,19.38) v2(163.73,18.44) v2(163.73,17.56) v2(163.73,16.62) v2(163.73,15.74) v2(164.54,20.16) v2(164.55,19.38) v2(164.55,18.49) v2(164.55,17.52) v2(164.55,16.63) v2(164.58,15.77) v2(165.57,20.16) v2(165.58,19.38) v2(165.58,18.49) v2(165.58,17.52) v2(165.58,16.63) v2(166.53,20.16) v2(166.54,19.38) v2(166.54,18.49) v2(166.51,17.52) v2(167.56,20.16) v2(167.57,19.38) v2(167.57,18.49) v2(167.55,17.52)
+12V_FMC1: length 11.1
  Top w0.381: J6.C37 70.7,17.15 71.29,17.75 ; J6.C35 70.7,19.69
  Top w0.4: J6.C35 v2(71.4,20.41) ; R235.1 v1(78.71,15.83) ; 71.29,17.75 v2(71.29,17.73)
  Bottom w0.254: U17.2 75.63,23.76 74.09,22.21 R182.2
  Bottom w0.4: v1(78.71,15.83) 76.06,18.48 74.86,18.48
+12V_FMC2: length 21
  Top w0.254: v1(76.45,77.54) 76.45,76.43 R236.1
  Top w0.381: P2.C37 70.72,87.15 71.29,87.72 ; P2.C35 70.72,89.69 71.29,90.26
  Bottom w0.254: 72.13,88.23 72.15,88.21 74.56,88.21 76.45,86.33 v1(76.45,77.54) ; R183.2 56.25,89.21 55.37,88.33 55.37,86.48 U32.2
  vias: v2(71.41,90.37) v2(71.42,87.85)
/FPGA/FPGA_PWR&MISC/GNDADC: length 12.7
  Top w0.381: U1.P12 v1(107.12,73.73) ; U1.P11 v1(108.12,73.73) ; U1.M11 v1(108.12,70.73) ; U1.N11 v1(108.12,71.73) ; U1.N12 v1(107.12,71.73)
  Bottom w0.381: U1.P11 v1(108.12,73.73) ; U1.P11 C224.2 ; U1.P11 v1(107.12,73.73) 106.14,72.75 C222.2 ; C224.2 107.47,72.08 v1(107.12,71.73) 106.12,72.73 C222.2 ; C224.2 107.77,72.08 v1(108.12,71.73) v1(108.12,70.73) ; C222.2 106.11,72.76 L28.2
/FPGA/FPGA_PWR&MISC/VCCADC: length 6.3
  Top w0.381: U1.M12 v1(107.12,70.73)
  Bottom w0.381: C224.1 107.62,71.23 v1(107.12,70.73) 106.54,70.73 C222.1
  Bottom w0.4: C222.1 105.61,70.63 105.61,69.39 106.12,68.87 L27.2
GND: length 995.2
  Top w0.127: v2(86.46,83.38) 86.48,83.36 86.48,82.11 85.39,82.11 v2(85.31,82.19) ; v2(85.34,80.95) 85.34,80.52 85.84,80.03 C240.2 85.42,80.03 85.34,79.95
  Top w0.254: v1(124.47,117.15) 124.48,117.14 124.48,115.52 ; v1(126.24,117.11) 126.24,117.1 126.24,115.48 ; v1(127.43,117.11) 127.44,117.1 127.44,115.48 ; v1(129.26,117.11) 129.27,117.1 129.27,115.48 ; v1(131.07,117.11) 131.08,117.1 131.08,115.48 ; v1(132.85,117.07) 132.86,117.06 132.86,115.44 ; v1(134.64,117.06) 134.65,117.05 134.65,115.43 ; v1(136.46,117.07) 136.47,117.06 136.47,115.44 ; v1(137.67,117.07) 137.67,117.06 137.67,115.44 ; v1(139.46,117.08) 139.46,117.08 139.46,115.46 ; C48.2 v1(163.5,125.08) ; J14.5 146.78,145.1 v1(146.75,145.13) ; v2(114.96,24.07) 114.96,23.85 114.94,23.85 114.89,23.8 114.89,23.67 C363.2 ; v1(80.79,50.77) 80.79,50.77 PB1.3 ; v1(142.78,109.13) 142.77,109.12 SK1.189 ; U46.20 124.7,85.65 v1(124.77,85.73) ; v1(151.03,12.67) 151.05,12.68 R104.2 ; v1(97,9.05) 97.03,9.07 LD10.1 ; v1(126.03,108.83) 125.97,108.76 SK1.133 ; J8.20 134.98,99 v1(134.65,99.33) ; v1(91.21,109.17) 91.17,109.13 SK1.25 ; SK1.127 124.17,108.78 v1(124.17,108.78) ; v1(134.15,96.43) 134.32,96.6 J8.23 ; U35.45 119.58,27.49 U35.42 ; U35.45 119.08,26.99 U35.2 ; U35.45 U35.17 ; U46.11 128.91,85.65 v1(128.98,85.72) ; Q19.2 76.59,5.04 v1(76.59,5.05) ; v1(134.34,108.83) 134.37,108.8 SK1.161 ; LD6.1 v1(81.79,8.26) ; SK1.179 139.77,108.77 v1(139.7,108.84) ; J8.16 139.62,97 v1(139.65,97.03) ; v1(127.42,109.5) 127.77,109.15 SK1.139 ; 118.27,24.06 118.27,23.51 v1(118.3,23.48) ; LD2.1 71.12,76.39 v1(71.09,76.37) ; C43.2 v1(152.64,122.26) ; v1(131.35,108.86) 131.37,108.84 SK1.151 ; v1(141.26,117.12) 141.27,117.11 SK1.184 ; v1(143.06,117.14) 143.07,117.13 SK1.190 ; v1(72.59,85.23) 71.97,84.61 P2.B39 ; v1(144.85,117.14) 144.87,117.12 SK1.196 ; v1(141.71,109.04) 141.57,108.9 SK1.185 ; v1(139.35,99.73) 139.02,99.4 J8.19 ; v1(138,108.6) 137.97,108.57 SK1.173 ; C56.2 162.5,111.45 v1(162.49,111.46) 162.48,111.45 C79.2 ; PB1.4 89.89,53.56 v1(89.89,53.56) ; SK1.195 144.57,108.9 v1(144.68,109.01) ; v1(120.25,22.37) 120.26,22.39 C140.2 ; C53.2 169.62,116.32 C57.2 169.71,115.58 v1(169.73,115.55) ; SK1.155 132.57,108.92 v1(132.55,108.94) ; v1(169,119.79) 168.99,119.79 C55.2 ; R66.1 154.92,124 v1(154.91,123.99) ; v1(155.33,113.95) 155.36,113.98 C54.2 ; LD4.1 76.04,9.88 v1(76.03,9.9) ; v1(155.33,115.96) 155.34,115.96 155.34,116.52 ; v1(152.07,18) 152.51,18.44 R108.2 ; v1(134.15,94.23) 134.18,94.2 J8.26 ; C52.2 159.19,125.05 v1(159.16,125.08) ; J8.13 139.58,94.6 v1(139.63,94.55) ; v1(169.35,114.41) 169.35,114.66 168.89,115.12 C46.2 ; SK1.197 145.17,108.97 v1(145.2,108.99) ; v1(153.38,119.29) 153.39,119.27 154.3,119.27 ; 169.89,122.54 v1(169.91,122.56) ; C362.2 117.37,22.39 v1(117.35,22.37) ; v1(126.18,83.84) 126.17,83.85 U46.5 ; v1(136.15,108.85) 136.17,108.84 SK1.167 ; C49.2 v1(159.92,125.05) ; C128.2 152.51,12.72 v1(152.5,12.71) ; R65.1 v1(166.3,125.08) ; SK1.201 146.37,108.99 v1(146.39,109.01) ; J14.3 v1(145.51,145) ; SK1.145 129.57,108.71 v1(129.65,108.8) ; C51.2 v1(162.77,125.08) ; J14.9 v1(149.32,145.15)